# Altium PCB VCB2020.PcbDoc (part 2 of 2)
Units mm, origin at the board's own origin, x right, y up, seen from the top; angles counter-clockwise.
Board outline 146 x 96 mm, 2 copper layers (Top Layer, Bottom Layer); 153 components, 104 nets, 535 pads, 826 vias.
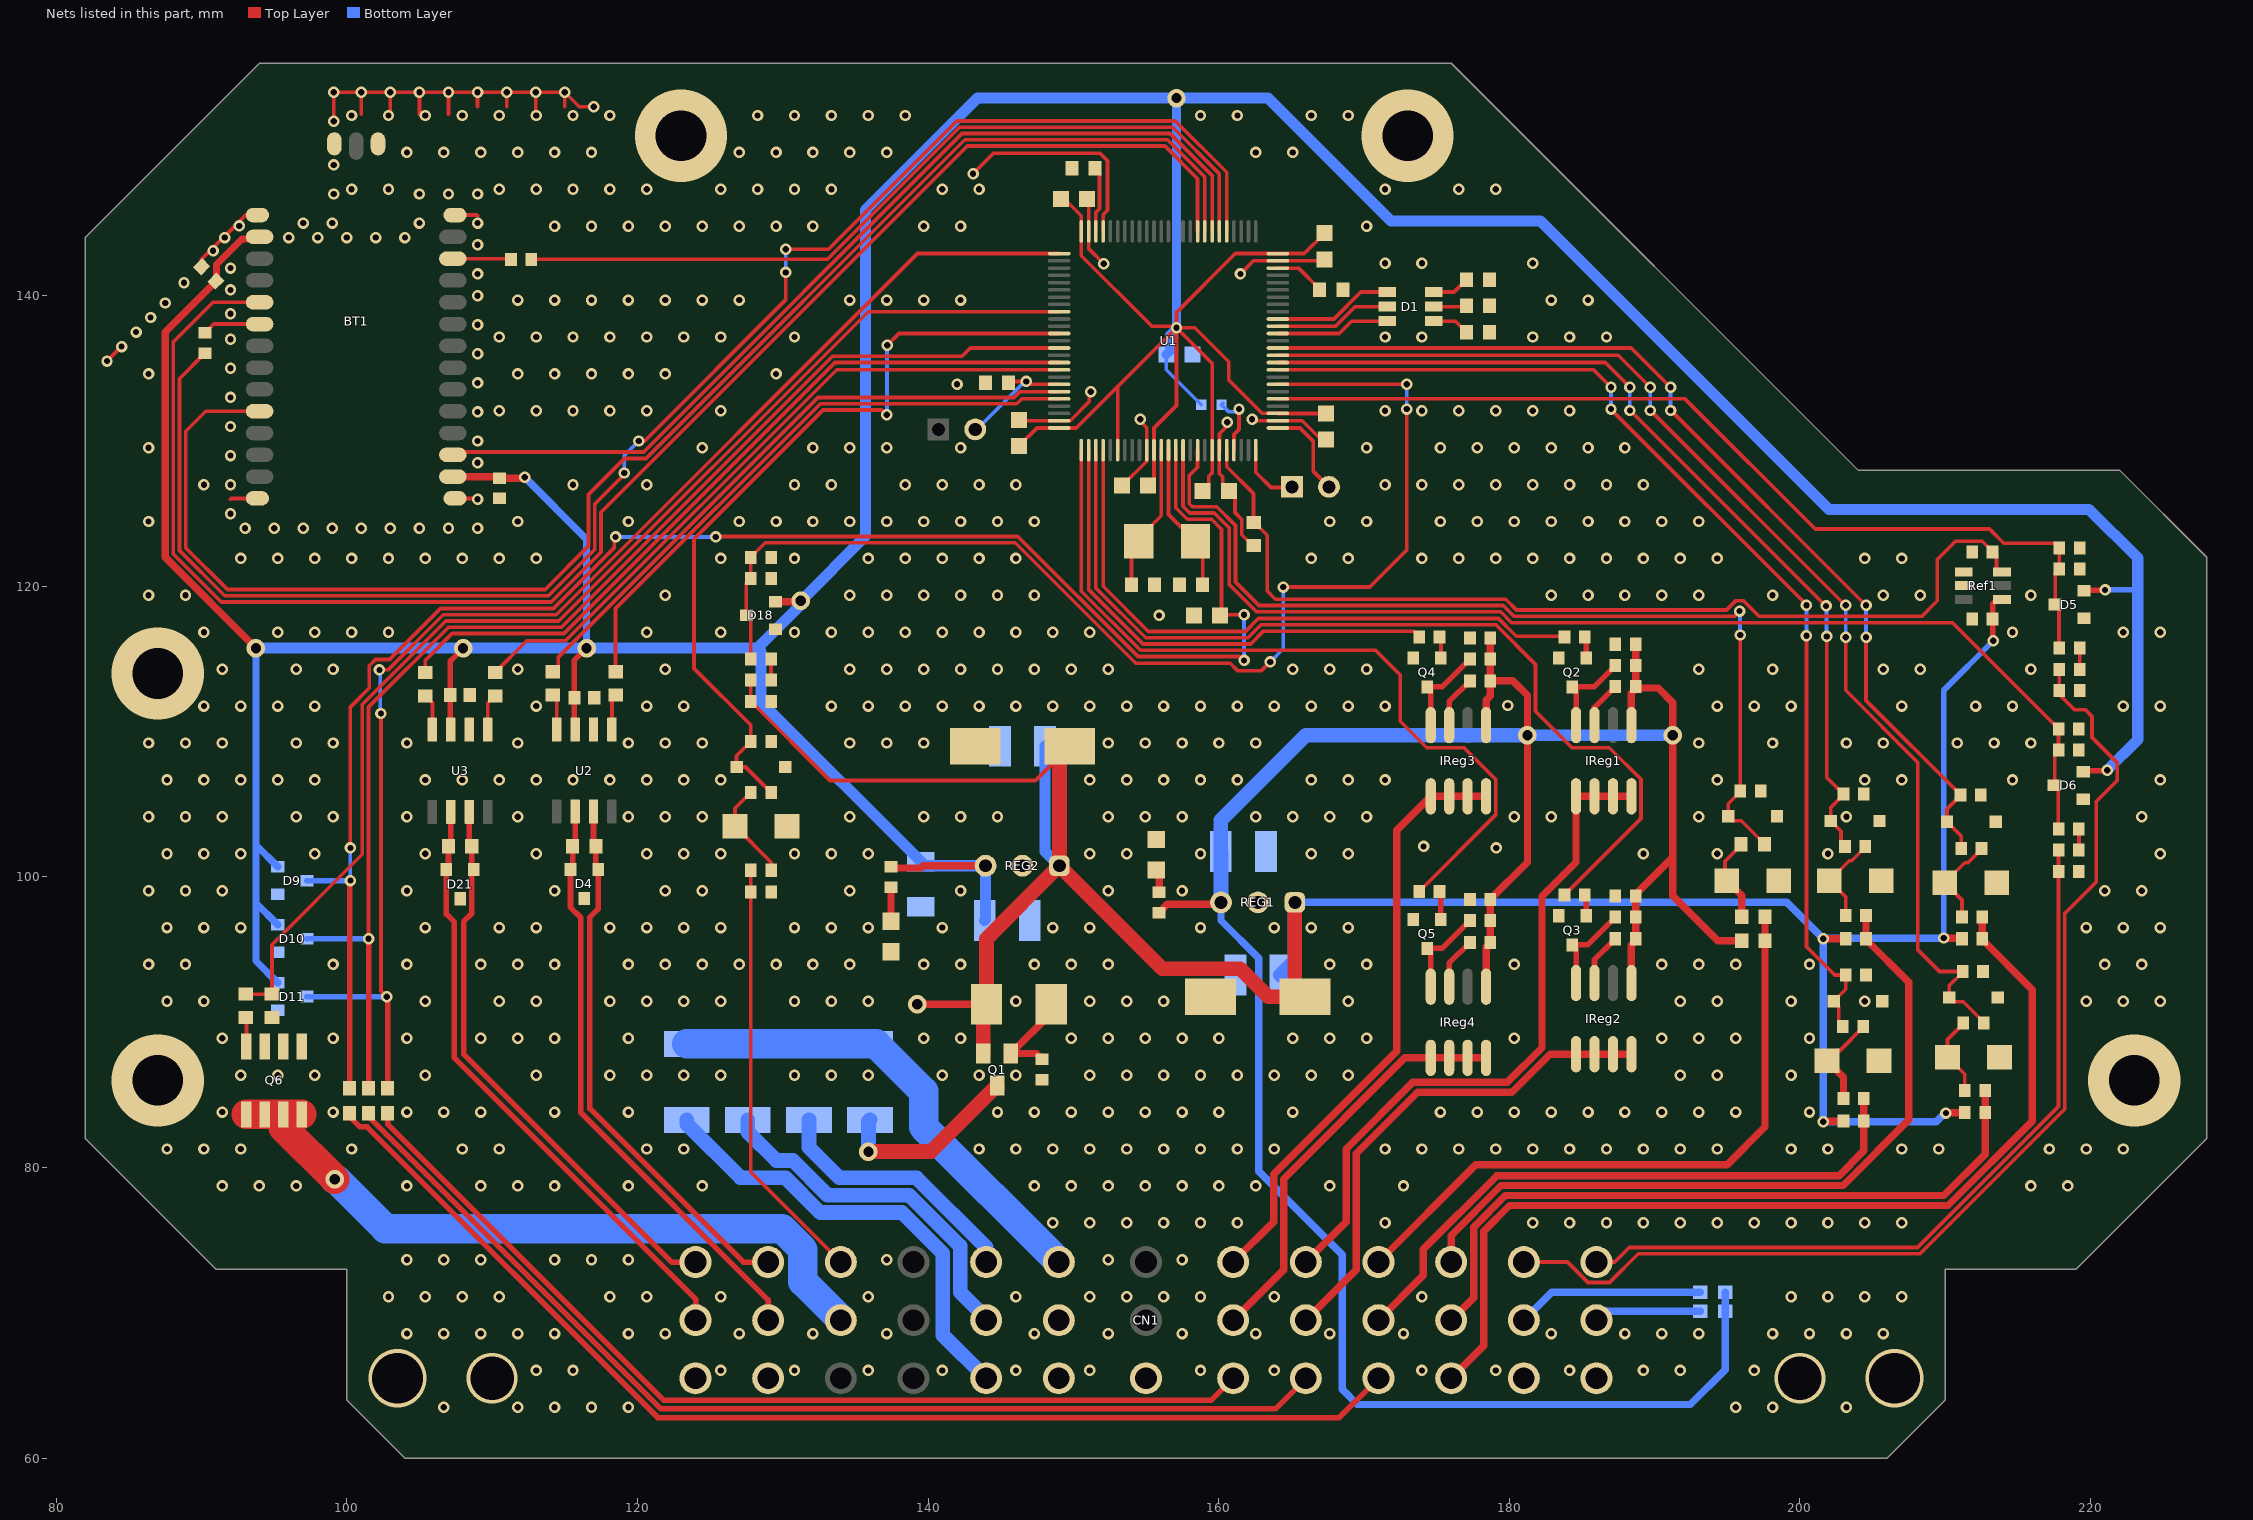
[diagram p2: the nets of this part, all layers, seen from the top]

## Via types
v1: diameter 0.787, hole 0.432, Top Layer to Bottom Layer, 807 vias
v2: diameter 1.27, hole 0.711, Top Layer to Bottom Layer, 10 vias
v3: diameter 6.35, hole 3.48, Top Layer to Bottom Layer, 5 vias
v4: diameter 3.5, hole 3, Top Layer to Bottom Layer, 2 vias
v5: diameter 4, hole 3.5, Top Layer to Bottom Layer, 2 vias

## Nets (pads, with @x,y where several pads share a name; then routed paths per layer and width w, separated by ;. In a path a pad name is that pad's centre, name@x,y a point inside that pad or via, vN(x,y) a via of type N, cw(c..) or ccw(c..) an arc to the next point about the centre after c; other vN are vias at no path point)
3v3: BT1.2 BT1.16 C5.2 C6.2 C7.2 C8.2 C9.2 C18.2 C19.2 C23.2 C24.2 C25.2 C28.2 C29.2 D5.2 D6.2 D9.2 D10.2 D11.2 D18.2 L1.1 R7.1 R8.2 REG2.3 U1.6 U1.11 U1.19 U1.28 U1.50 U1.75 U1.100 U2.3 U3.3 | length 426.9
  Top Layer w0.254: C9.2@146.25,129.65 147.5,130.9 U1.100@149.025,130.9 150.2,130.9 153.05,133.75 ; C25.2@148.85,146.654 149.004,146.5 149.55,146.5 150.552,145.498 150.552,144.427 U1.75@150.55,144.425 150.552,144.423 150.552,142.748 155.408,137.892 157.008,137.892 157.008,137.708 153.05,133.75 ; U1.6@153.05,129.375 153.05,133.75 ; C6.2@155.15,126.95 155.55,127.35 U1.11@155.55,129.375 155.55,130.9 157.1,132.45 v1(157.1,137.8) ; C7.2@158.9,126.55 159.323,126.973 159.323,127.573 159.55,127.8 U1.19@159.55,129.375 159.55,135.35 v1(157.1,137.8) ; C23.2@167.3,144.304 165.896,142.9 U1.50@164.075,142.9 161.15,142.9 157.1,138.85 v1(157.1,137.8) ; C8.2@167.4,131.55 167.05,131.9 U1.28@164.075,131.9 164.073,131.902 162.998,131.902 160.699,134.201 160.699,135.451 158.35,137.8 v1(157.1,137.8)
  Top Layer w0.381: U3.3@107.165,110.134 107.125,110.174 C24.2@107.125,112.513 107.125,114.875 v2(108,115.75) ; U2.3@115.71,110.15 115.67,110.19 C19.2@115.67,112.329 115.67,114.92 v2(116.5,115.75) ; D6.2@219.5,107.25 219.55,107.3 221.1,107.3 v1(221.15,107.35) ; D5.2@219.55,119.7 219.575,119.725 220.975,119.725 v1(221,119.75)
  Top Layer w0.508: C28.2@90.995,141.005 91.038,141.048 91.038,142.145 92.792,143.9 93.85,143.9 BT1.2@94,144.05 ; C28.2@91,141 87.5,137.5 87.5,122 v2(93.75,115.75) ; BT1.16@107.3,127.55 110.4,127.55 C29.2@110.5,127.45 112.2,127.45 v1(112.25,127.5) ; D18.2@129.5,118.95 131.2,118.95 v2(131.25,119) ; R7.1@137.45,100.7 137.535,100.615 139.5,100.615 139.655,100.77 REG2.3@143.96,100.77
  Bottom Layer w0.254: C5.2@156.4,135.95 156.4,134.9 L1.1@158.8,132.5
  Bottom Layer w0.381: v1(221,119.75) 223.15,119.75 223.25,119.85
  Bottom Layer w0.508: v2(93.75,115.75) 93.75,102.2 ; D11.2@95.25,92.721 93.75,94.221 93.75,98.211 ; D10.2@95.25,96.711 93.75,98.211 ; D9.2@95.25,100.7 93.75,102.2 ; v1(112.25,127.5) 116.5,123.25 v2(116.5,115.75) ; 93.75,98.211 93.75,102.2
  Bottom Layer w0.635: C5.2@156.4,135.95 156.633,136.183 156.633,137.291 157.1,137.759 v1(157.1,137.8) v2(157.1,153.6)
  Bottom Layer w0.762: v2(93.75,115.75) v2(108,115.75) v2(116.5,115.75) 128.25,115.75 ; C18.2@143.9,97 143.96,97.06 REG2.3@143.96,100.77 139.78,100.77 R8.2@139.5,101.05 128.5,112.05 128.5,115.5 128.25,115.75 ; v1(221.15,107.35) 223.25,109.45 223.25,119.85 223.25,121.95 219.9,125.3 202,125.3 182.15,145.15 171.85,145.15 163.4,153.6 v2(157.1,153.6) 143.4,153.6 135.7,145.9 135.7,123.45 v2(131.25,119) 131.25,118.75 128.25,115.75
3v3ref: C3.2 C11.2 Ref1.6 U1.21 | length 67.9
  Top Layer w0.254: U1.21@160.55,129.375 160.552,129.373 160.552,128.229 162.4,126.381 C3.2@162.4,124.4 162.45,124.4 163.337,123.513 163.337,119.677 163.9,119.114 179.764,119.114 180.5,118.378 194.94,118.378 195.561,118.998 196.139,118.998 197.206,117.932 208.382,117.932 209.45,119 209.45,121.85 210.709,123.109 212.545,123.109 213.25,122.404 C11.2@213.25,122.354 213.523,122.081 213.523,121.183 213.706,121 Ref1.6@213.9,121
5v: C14.2 C34.2 C35.2 C36.2 C37.2 F1.1 F2.1 IReg1.1 IReg2.1 IReg3.1 IReg4.1 R6.1 R20.2 R47.1 R48.1 R50.1 R51.1 R53.1 R54.1 R56.1 R57.1 REG1.3 | length 181.2
  Top Layer w0.508: R6.1@155.904,97.55 156.472,98.118 160.16,98.118 REG1.3@160.16,98.25 ; IReg4.1@178.405,92.45 178.405,95.205 R56.1@178.7,95.5 R57.1@178.7,97 C37.2@178.7,98.454 181.25,101.004 v2(181.25,109.75) 181.25,112.5 180.25,113.5 R53.1@178.7,113.5 ; IReg3.1@178.405,110.45 178.405,112.155 178.7,112.45 R53.1@178.7,113.5 ; C36.2@178.7,116.454 R54.1@178.7,115 R53.1@178.7,113.5 ; IReg2.1@188.405,92.95 188.405,95.309 188.7,95.604 188.7,97.059 R51.1@188.7,97.25 188.7,98.8 191.25,101.35 ; IReg1.1@188.405,110.45 188.405,112.655 188.75,113 190.25,113 191.25,112 v2(191.25,109.75) 191.25,101.35 ; R47.1@188.7,113.5 C34.2@188.7,116.013 ; R20.2@196,95.6 194.35,95.6 191.25,98.7 191.25,101.35
  Bottom Layer w0.508: REG1.3@160.16,98.25 160.16,97.001 162.75,94.411 162.75,79.75 168.5,74 168.5,64.75 169.55,63.7 192.45,63.7 194.85,66.1 F1.1@194.85,70.113 F2.1@194.85,71.42
  Bottom Layer w0.762: v2(181.25,109.75) v2(191.25,109.75)
  Bottom Layer w1.016: REG1.3@160.16,98.25 160.16,101.74 C14.2@160.15,101.75 160.15,103.9 166,109.75 v2(181.25,109.75)
"\B\r\a\k\e\ \P\r\e\s\s": CN1.10 R20.1 R21.1 | length 44.9
  Top Layer w0.508: CN1.10@171,73.5 177.7,80.2 195,80.2 197.6,82.8 R20.1@197.6,95.6 R21.1@197.6,97.25
"APPS 1 5V": CN1.1 R16.1 R18.2 | length 53.9
  Top Layer w0.254: CN1.1@186,73.5 187.25,73.5 188.25,74.5 208.09,74.5 217.8,84.21 R18.2@217.8,100.387 R16.1@217.8,101.841
"APPS 1 Pwr": CN1.2 F1.2 | length 7.4
  Bottom Layer w0.508: CN1.2@186,69.5 186.613,70.113 F1.2@193.15,70.113
"APPS 2 5V": CN1.4 R12.1 R14.2 | length 76.9
  Top Layer w0.254: CN1.4@181,73.25 CN1.4@181,73.5 184.013,73.5 185.418,72.095 186.895,72.095 188.868,74.068 208.269,74.068 218.232,84.031 218.232,97.482 220.4,99.65 220.4,105.2 221.848,106.648 221.848,107.85 220.1,109.599 220.1,111.05 219.65,111.5 218.9,111.5 217.85,112.55 R14.2@217.85,112.837 R12.1@217.85,114.291
"APPS 2 Pwr": CN1.5 F2.2 | length 12.9
  Bottom Layer w0.508: CN1.5@181,69.5 182.92,71.42 F2.2@193.15,71.42
"BCO Ctrl": CN1.32 Q6.5 Q6.6 Q6.7 Q6.8 | length 49.9
  Top Layer w2.032: Q6.5@93.095,83.66 Q6.6@94.365,83.66 Q6.7@95.635,83.66 ; Q6.7@95.635,83.67 Q6.7@95.635,83.66 ; Q6.8@96.905,83.66 Q6.7@95.635,83.66 ; v2(99.175,79.2) 95.635,82.74 Q6.7@95.635,83.66
  Bottom Layer w2.032: v2(99.175,79.2) 99.25,79.2 102.656,75.794 129.95,75.794 131.387,74.357 131.387,72.158 134,69.545 CN1.32@134,69.5
BOOT0: P1.2 R4.1 U1.94 | length 8.9
  Top Layer w0.254: P1.2@143.25,130.8 P1.2@143.601,131.151 ; R4.1@145.55,134 145.65,134.1 v1(146.75,134.1) ; v1@146.75,133.9 U1.94@149.025,133.9
  Bottom Layer w0.254: P1.2@143.25,130.8 143.35,130.8 146.65,134.1 v1(146.75,134.1)
"BPS Interm": D7.2 R21.2 R60.1 | length 5.9
  Top Layer w0.254: D7.2@194.96,99.75 194.85,99.86 194.85,101.087 195.95,102.187 R60.1@195.95,102.237
  Top Layer w0.508: D7.2@194.96,99.75 194.97,99.75 196,98.72 R21.2@196,97.25
"BT NCTS": BT1.10 U1.58 | length 104.7
  Top Layer w0.254: BT1.10@94,132.05 90.3,132.05 88.922,130.672 88.922,122.647 91.785,119.785 113.65,119.785 116.636,122.771 116.636,126.324 119.112,128.8 120.589,128.8 142.521,150.732 156.479,150.732 159.05,148.161 U1.58@159.05,144.425
"BT NRTS": BT1.5 U1.59 | length 112.7
  Top Layer w0.254: BT1.5@94,139.55 90.8,139.55 88.059,136.809 88.059,122.231 91.369,118.921 114.067,118.921 117.5,122.354 117.5,125.1 142.7,150.3 156.3,150.3 158.55,148.05 U1.59@158.55,144.425
"BT Reset": BT1.17 U1.57 | length 66.5
  Top Layer w0.254: BT1.17@107.35,129 BT1.17@107.3,129.05 107.5,129.25 120.429,129.25 142.342,151.164 156.658,151.164 159.55,148.271 U1.57@159.55,144.425
"BT Rx": BT1.6 R33.2 | length 4
  Top Layer w0.254: R33.2@90.25,137.45 90.85,138.05 BT1.6@94,138.05
"BT Tx": BT1.26 R32.1 | length 4
  Top Layer w0.254: BT1.26@107.3,142.55 111.25,142.55 R32.1@111.3,142.5
"CAN Rx": R9.2 U1.95 | length 43.2
  Top Layer w0.254: R9.2@114.191,114.121 114.241,114.121 114.564,114.444 114.564,115.143 132.421,133 145.931,133 146.331,133.4 U1.95@149.025,133.4
"CAN Tx": R10.2 U1.96 | length 40.9
  Top Layer w0.254: R10.2@118.499,114.121 118.499,118.468 132.6,132.568 146.11,132.568 146.442,132.9 U1.96@149.025,132.9
CAN_N: CN1.35 D4.2 R11.1 U2.6 | length 40.8
  Top Layer w0.381: U2.6@115.71,104.5 115.71,102.286 R11.1@115.545,102.121 115.545,100.666 D4.2@115.395,100.516 115.395,97.905 116.1,97.2 116.1,83.8 129,70.9 CN1.35@129,69.5
CAN_P: CN1.34 D4.1 R11.2 U2.7 | length 37.4
  Top Layer w0.381: U2.7@116.98,104.5 116.98,102.286 R11.2@117.145,102.121 117.145,100.666 D4.1@117.295,100.516 117.295,97.795 116.735,97.235 116.735,84.063 127.298,73.5 CN1.34@129,73.5
"Dash Power": CN1.27 F11.2 | length 31.4
  Bottom Layer w1.016: F11.2@123.4,83.285 123.4,83 127.1,79.3 130.194,79.3 132.588,76.906 138.217,76.906 141.02,74.103 141.02,68.48 CN1.27@144,65.5
"Dash Toggle": CN1.9 R31.1 R34.1 | length 67.4
  Top Layer w0.508: CN1.9@176,65.5 178.236,67.736 178.236,75.616 180.012,77.393 210.193,77.393 216,83.2 216,92.25 212.55,95.7 R31.1@212.55,95.75 R34.1@212.55,97.25
"Dash Toggle Interm": D19.2 R34.2 R35.1 | length 6.4
  Top Layer w0.254: D19.2@209.96,99.6 D19.2@209.97,99.6 ; R34.2@211.15,97.25 211.15,98.42 D19.2@209.97,99.6 ; R35.1@212.5,101.95 212.5,101.9 211.57,100.97 211.34,100.97 D19.2@209.97,99.6
"Debug LED B": D1.6 U1.39 | length 7.9
  Top Layer w0.254: U1.39@164.075,137.4 168.3,137.4 169.15,138.25 D1.6@171.6,138.25
"Debug LED G": D1.5 U1.40 | length 8.1
  Top Layer w0.254: U1.40@164.075,137.9 168.042,137.9 169.392,139.25 D1.5@171.6,139.25
"Debug LED R": D1.4 U1.41 | length 8.3
  Top Layer w0.254: U1.41@164.075,138.4 167.931,138.4 169.781,140.25 D1.4@171.6,140.25
"GLV Power In": CN1.22 F8.1 F9.1 F10.1 F11.1 | length 33.3
  Bottom Layer w2.032: F11.1@123.4,88.515 F10.1@127.6,88.515 F9.1@131.8,88.515 F8.1@136,88.515 136.433,88.515 139.7,85.248 139.7,82.8 CN1.22@149,73.5
GND: BT1.1 BT1.14 BT1.15 BT1.28 BT1.29 BT1.31 C1.1 C2.1 C3.1 C4.1 C5.1 C6.1 C7.1 C8.1 C9.1 C10.1 C11.1 C12.2 C13.1 C14.1 C15.1 C16.2 C17.1 C18.1 C19.1 C20.1 C21.1 C22.1 C23.1 C24.1 C25.1 C26.1 C27.1 C28.1 C29.1 C30.1 C31.1 C32.1 C33.1 C34.1 C35.1 C36.1 C37.1 C38.1 CN1.3 CN1.6 CN1.21 CN1.23 CN1.24 CN1.36 CN1.39 D3.1 D4.3 D5.1 D6.1 D7.1 D8.1 D9.1 D10.1 D11.1 D12.1 D13.1 D14.1 D15.1 D16.1 D17.1 D18.1 D19.1 D20.1 D21.3 D22.1 DS1.2 DS2.2 Q2.2 Q3.2 Q4.2 Q5.2 Q6.1 Q6.2 Q6.3 R1.2 R2.2 R3.2 R4.2 R5.1 R8.1 R14.1 R15.1 R18.1 R19.1 R42.1 R45.1 R46.1 R59.1 Ref1.1 Ref1.2 REG1.2 REG2.2 U1.10 U1.20 U1.27 U1.49 U1.74 U1.99 U2.2 U3.2 | length 81.3
  Top Layer w0.254: v1(83.5,135.5) v1(84.5,136.5) ; C28.1@90.005,141.995 90.005,142.505 92.3,144.8 v1(92.6,144.8) 92.6,145.1 93.05,145.55 BT1.1@93.85,145.55 ; 92,126 92.05,126.05 BT1.14@93.85,126.05 ; v1(99.1,152) v1(99.1,154) v1(101,154) ; 101,152.5 v1(101,154) ; v1@103,152.5 v1(103,154) ; 105,152.5 v1(105,154) ; 107,152.5 v1(107,154) ; BT1.15@107.45,126.05 108.95,126.05 v1(109,126) ; BT1.28@107.45,145.55 108.95,145.55 109,145.5 ; 109,153 v1(109,154) ; 111,153 v1(111,154) ; v1@113,152.5 v1(113,154) ; 115,153 v1(115,154) ; v1(117,153) 116,153 v1(115,154) ; C9.1@146.25,131.45 146.3,131.4 U1.99@149.025,131.4 149.027,131.402 149.785,131.402 151.098,132.715 151.098,133.298 v1(151.2,133.4) ; C25.1@150.95,146.654 151.05,146.554 U1.74@151.05,144.425 151.05,143.25 v1(152.1,142.2) ; C6.1@153.35,126.95 153.383,126.95 155.048,128.615 155.048,129.373 U1.10@155.05,129.375 155.05,130.906 154.6,131.356 v1(154.6,131.5) ; v1(160.6,131.3) 160.6,131.056 160.052,130.508 160.052,129.377 U1.20@160.05,129.375 160.05,127.75 160.277,127.523 160.277,126.973 C7.1@160.7,126.55 161.123,126.127 161.123,125.077 161.595,124.605 161.595,123.555 162.35,122.8 C3.1@162.4,122.8 ; v1(161.5,141.5) 162.4,142.4 U1.49@164.075,142.4 167.196,142.4 C23.1@167.3,142.504 ; v1(162.3,131.5) 162.398,131.402 164.073,131.402 U1.27@164.075,131.4 165.75,131.4 C8.1@167.4,129.75 ; v1(101,154) v1(103,154) ; v1(103,154) v1(105,154) ; v1(105,154) v1(107,154) ; v1(107,154) v1(109,154) ; v1(109,154) v1(111,154) ; v1(111,154) v1(113,154) ; v1(113,154) v1(115,154)
  other v1: 106.68,63.5 111.76,63.5 114.3,63.5 116.84,63.5 119.38,63.5 195.58,63.5 198.12,63.5 203.2,63.5 113.03,66.04 115.57,66.04 125.73,66.04 130.81,66.04 135.89,66.04 140.97,66.04 146.05,66.04 151.13,66.04 158.75,66.04 163.83,66.04 173.99,66.04 179.07,66.04 184.15,66.04 189.23,66.04 191.77,66.04 196.85,66.04 104.14,68.58 106.68,68.58 109.22,68.58 111.76,68.58 114.3,68.58 119.38,68.58 121.92,68.58 127,68.58 132.08,68.58 137.16,68.58 147.32,68.58 152.4,68.58 157.48,68.58 162.56,68.58 167.64,68.58 172.72,68.58 182.88,68.58 187.96,68.58 190.5,68.58 193.04,68.58 198.12,68.58 200.66,68.58 203.2,68.58 205.74,68.58 102.87,71.12 105.41,71.12 107.95,71.12 110.49,71.12 118.11,71.12 120.65,71.12 125.73,71.12 135.89,71.12 146.05,71.12 151.13,71.12 153.67,71.12 156.21,71.12 158.75,71.12 163.83,71.12 173.99,71.12 199.39,71.12 201.93,71.12 204.47,71.12 207.01,71.12 104.14,73.66 106.68,73.66 109.22,73.66 114.3,73.66 116.84,73.66 119.38,73.66 137.16,73.66 152.4,73.66 157.48,73.66 148.59,76.2 151.13,76.2 153.67,76.2 156.21,76.2 158.75,76.2 161.29,76.2 171.45,76.2 181.61,76.2 184.15,76.2 186.69,76.2 189.23,76.2 191.77,76.2 194.31,76.2 196.85,76.2 199.39,76.2 201.93,76.2 204.47,76.2 207.01,76.2 91.44,78.74 93.98,78.74 96.52,78.74 104.14,78.74 109.22,78.74 111.76,78.74 114.3,78.74 119.38,78.74 124.46,78.74 147.32,78.74 149.86,78.74 152.4,78.74 154.94,78.74 157.48,78.74 160.02,78.74 162.56,78.74 167.64,78.74 172.72,78.74 215.9,78.74 218.44,78.74 87.63,81.28 90.17,81.28 92.71,81.28 100.33,81.28 107.95,81.28 110.49,81.28 120.65,81.28 123.19,81.28 143.51,81.28 146.05,81.28 148.59,81.28 151.13,81.28 153.67,81.28 156.21,81.28 158.75,81.28 161.29,81.28 163.83,81.28 171.45,81.28 173.99,81.28 176.53,81.28 179.07,81.28 181.61,81.28 184.15,81.28 186.69,81.28 189.23,81.28 191.77,81.28 194.31,81.28 199.39,81.28 201.93,81.28 207.01,81.28 209.55,81.28 217.17,81.28 219.71,81.28 222.25,81.28 91.44,83.82 99.06,83.82 104.14,83.82 106.68,83.82 109.22,83.82 114.3,83.82 119.38,83.82 144.78,83.82 147.32,83.82 149.86,83.82 152.4,83.82 154.94,83.82 157.48,83.82 160.02,83.82 165.1,83.82 175.26,83.82 177.8,83.82 180.34,83.82 182.88,83.82 185.42,83.82 187.96,83.82 190.5,83.82 193.04,83.82 195.58,83.82 200.66,83.82 92.71,86.36 95.25,86.36 97.79,86.36 105.41,86.36 113.03,86.36 118.11,86.36 120.65,86.36 123.19,86.36 125.73,86.36 130.81,86.36 133.35,86.36 135.89,86.36 140.97,86.36 143.51,86.36 146.05,86.36 151.13,86.36 153.67,86.36 156.21,86.36 158.75,86.36 161.29,86.36 163.83,86.36 166.37,86.36 168.91,86.36 191.77,86.36 194.31,86.36 199.39,86.36 91.44,88.9 99.06,88.9 104.14,88.9 109.22,88.9 111.76,88.9 114.3,88.9 119.38,88.9 139.7,88.9 142.24,88.9 149.86,88.9 152.4,88.9 154.94,88.9 157.48,88.9 160.02,88.9 165.1,88.9 167.64,88.9 170.18,88.9 180.34,88.9 190.5,88.9 193.04,88.9 195.58,88.9 200.66,88.9 87.63,91.44 90.17,91.44 105.41,91.44 110.49,91.44 113.03,91.44 118.11,91.44 120.65,91.44 123.19,91.44 125.73,91.44 130.81,91.44 133.35,91.44 135.89,91.44 146.05,91.44 151.13,91.44 153.67,91.44 156.21,91.44 168.91,91.44 191.77,91.44 194.31,91.44 199.39,91.44 204.47,91.44 219.71,91.44 222.25,91.44 224.79,91.44 86.36,93.98 88.9,93.98 99.06,93.98 104.14,93.98 109.22,93.98 111.76,93.98 114.3,93.98 119.38,93.98 121.92,93.98 124.46,93.98 127,93.98 129.54,93.98 132.08,93.98 134.62,93.98 139.7,93.98 142.24,93.98 147.32,93.98 149.86,93.98 152.4,93.98 167.64,93.98 170.18,93.98 180.34,93.98 190.5,93.98 193.04,93.98 195.58,93.98 200.66,93.98 220.98,93.98 223.52,93.98 87.63,96.52 90.17,96.52 92.71,96.52 105.41,96.52 110.49,96.52 113.03,96.52 118.11,96.52 120.65,96.52 123.19,96.52 125.73,96.52 130.81,96.52 133.35,96.52 135.89,96.52 140.97,96.52 148.59,96.52 151.13,96.52 158.75,96.52 163.83,96.52 166.37,96.52 168.91,96.52 219.71,96.52 222.25,96.52 224.79,96.52 86.36,99.06 88.9,99.06 91.44,99.06 104.14,99.06 114.3,99.06 121.92,99.06 124.46,99.06 134.62,99.06 142.24,99.06 152.4,99.06 157.48,99.06 220.98,99.06 223.52,99.06 87.63,101.6 90.17,101.6 92.71,101.6 97.79,101.6 105.41,101.6 113.03,101.6 120.65,101.6 123.19,101.6 125.73,101.6 130.81,101.6 133.35,101.6 135.89,101.6 151.13,101.6 153.67,101.6 158.75,101.6 166.37,101.6 168.91,101.6 189.23,101.6 194.31,101.6 201.93,101.6 224.79,101.6 179.1,102 174.1,102.1 86.36,104.14 88.9,104.14 91.44,104.14 96.52,104.14 99.06,104.14 104.14,104.14 111.76,104.14 119.38,104.14 121.92,104.14 124.46,104.14 134.62,104.14 139.7,104.14 142.24,104.14 144.78,104.14 152.4,104.14 154.94,104.14 157.48,104.14 162.56,104.14 165.1,104.14 167.64,104.14 170.18,104.14 180.34,104.14 182.88,104.14 193.04,104.14 203.2,104.14 223.52,104.14 87.63,106.68 90.17,106.68 92.71,106.68 95.25,106.68 97.79,106.68 105.41,106.68 107.95,106.68 110.49,106.68 113.03,106.68 115.57,106.68 118.11,106.68 120.65,106.68 123.19,106.68 125.73,106.68 151.13,106.68 153.67,106.68 156.21,106.68 158.75,106.68 161.29,106.68 166.37,106.68 168.91,106.68 171.45,106.68 194.31,106.68 204.47,106.68 207.01,106.68 214.63,106.68 224.79,106.68 86.36,109.22 88.9,109.22 91.44,109.22 96.52,109.22 99.06,109.22 104.14,109.22 111.76,109.22 119.38,109.22 121.92,109.22 124.46,109.22 134.62,109.22 137.16,109.22 139.7,109.22 152.4,109.22 154.94,109.22 157.48,109.22 160.02,109.22 162.56,109.22 193.04,109.22 198.12,109.22 203.2,109.22 205.74,109.22 210.82,109.22 213.36,109.22 215.9,109.22 90.17,111.76 92.71,111.76 95.25,111.76 97.79,111.76 113.03,111.76 120.65,111.76 123.19,111.76 133.35,111.76 135.89,111.76 138.43,111.76 140.97,111.76 143.51,111.76 146.05,111.76 148.59,111.76 151.13,111.76 153.67,111.76 156.21,111.76 158.75,111.76 161.29,111.76 163.83,111.76 166.37,111.76 168.91,111.76 171.45,111.76 194.31,111.76 196.85,111.76 199.39,111.76 207.01,111.76 212.09,111.76 214.63,111.76 222.25,111.76 224.79,111.76 179.9,111.8 91.44,114.3 96.52,114.3 99.06,114.3 111.76,114.3 121.92,114.3 134.62,114.3 137.16,114.3 139.7,114.3 142.24,114.3 144.78,114.3 147.32,114.3 149.86,114.3 152.4,114.3 165.1,114.3 167.64,114.3 170.18,114.3 193.04,114.3 198.12,114.3 205.74,114.3 208.28,114.3 215.9,114.3 90.17,116.84 95.25,116.84 97.79,116.84 100.33,116.84 102.87,116.84 120.65,116.84 125.73,116.84 130.81,116.84 133.35,116.84 135.89,116.84 138.43,116.84 140.97,116.84 143.51,116.84 146.05,116.84 148.59,116.84 151.13,116.84 214.63,116.84 222.25,116.84 224.79,116.84 155.9,118 86.36,119.38 88.9,119.38 121.92,119.38 134.62,119.38 137.16,119.38 139.7,119.38 142.24,119.38 144.78,119.38 147.32,119.38 182.88,119.38 185.42,119.38 187.96,119.38 190.5,119.38 193.04,119.38 198.12,119.38 205.74,119.38 208.28,119.38 215.9,119.38 92.71,121.92 95.25,121.92 97.79,121.92 100.33,121.92 102.87,121.92 105.41,121.92 107.95,121.92 110.49,121.92 113.03,121.92 125.73,121.92 130.81,121.92 135.89,121.92 138.43,121.92 140.97,121.92 143.51,121.92 146.05,121.92 166.37,121.92 168.91,121.92 173.99,121.92 176.53,121.92 179.07,121.92 181.61,121.92 184.15,121.92 186.69,121.92 189.23,121.92 191.77,121.92 194.31,121.92 204.47,121.92 207.01,121.92 93,124 95,124 97,124 99,124 101,124 103,124 105,124 107,124 109,124 86.36,124.46 111.76,124.46 119.38,124.46 127,124.46 129.54,124.46 132.08,124.46 134.62,124.46 137.16,124.46 139.7,124.46 142.24,124.46 144.78,124.46 147.32,124.46 167.64,124.46 170.18,124.46 175.26,124.46 177.8,124.46 180.34,124.46 182.88,124.46 185.42,124.46 187.96,124.46 190.5,124.46 193.04,124.46 92,125 90.17,127 92,127 115.57,127 120.65,127 130.81,127 133.35,127 138.43,127 140.97,127 143.51,127 146.05,127 171.45,127 173.99,127 176.53,127 179.07,127 181.61,127 184.15,127 186.69,127 189.23,127 109,128.5 92,129 86.36,129.54 124.46,129.54 132.08,129.54 134.62,129.54 137.16,129.54 142.24,129.54 170.18,129.54 175.26,129.54 177.8,129.54 180.34,129.54 182.88,129.54 185.42,129.54 187.96,129.54 109,130 92,131 109,132 110.49,132.08 113.03,132.08 115.57,132.08 118.11,132.08 120.65,132.08 125.73,132.08 171.45,132.08 173.99,132.08 176.53,132.08 179.07,132.08 181.61,132.08 184.15,132.08 92,133 142,133.9 109,134 86.36,134.62 111.76,134.62 114.3,134.62 116.84,134.62 119.38,134.62 121.92,134.62 129.54,134.62 92,135 109,136 92,137 110.49,137.16 113.03,137.16 115.57,137.16 118.11,137.16 120.65,137.16 123.19,137.16 125.73,137.16 130.81,137.16 171.45,137.16 173.99,137.16 181.61,137.16 184.15,137.16 186.69,137.16 85.5,137.5 109,138 86.5,138.5 92,138.75 87.5,139.5 111.76,139.7 114.3,139.7 116.84,139.7 119.38,139.7 121.92,139.7 124.46,139.7 127,139.7 134.62,139.7 137.16,139.7 139.7,139.7 142.24,139.7 182.88,139.7 185.42,139.7 109,140 92,140.4 88.8,140.9 109,141.5 92,141.9 171.45,142.24 173.99,142.24 181.61,142.24 90.8,143.1 109,143.5 91.6,144 96,144 98,144 100,144 102,144 104,144 114.3,144.78 116.84,144.78 119.38,144.78 121.92,144.78 124.46,144.78 127,144.78 129.54,144.78 132.08,144.78 139.7,144.78 142.24,144.78 170.18,144.78 97,145 99,145 105,145 109,145 99.1,147 105,147 107,147 109,147 100.33,147.32 102.87,147.32 110.49,147.32 113.03,147.32 115.57,147.32 118.11,147.32 120.65,147.32 125.73,147.32 128.27,147.32 130.81,147.32 133.35,147.32 140.97,147.32 143.51,147.32 171.45,147.32 176.53,147.32 179.07,147.32 99.1,149 104.14,149.86 106.68,149.86 109.22,149.86 111.76,149.86 114.3,149.86 116.84,149.86 127,149.86 129.54,149.86 132.08,149.86 134.62,149.86 137.16,149.86 162.56,149.86 165.1,149.86 100.33,152.4 102.87,152.4 105.41,152.4 107.95,152.4 110.49,152.4 113.03,152.4 115.57,152.4 118.11,152.4 128.27,152.4 130.81,152.4 133.35,152.4 135.89,152.4 138.43,152.4 158.75,152.4 161.29,152.4 166.37,152.4 168.91,152.4
  other v3: 87,86 223,86 87,114 123,151 173,151
  other v4: 110,65.5 200,65.5
  other v5: 103.5,65.5 206.5,65.5
NetD1_1: D1.1 R3.1 | length 2.6
  Top Layer w0.254: D1.1@174.8,138.25 176.3,138.25 R3.1@177.05,137.5
NetD1_2: D1.2 R2.1 | length 2.3
  Top Layer w0.254: D1.2@174.8,139.25 176.996,139.25 R2.1@177.05,139.304
NetD1_3: D1.3 R1.1 | length 2.6
  Top Layer w0.254: D1.3@174.8,140.25 176.192,140.25 R1.1@177.05,141.109
NetD2_A: D2.A Q1.1 R5.2 | length 6.9
  Top Layer w0.508: R5.2@147.854,87.45 147.454,87.85 Q1.1@145.7,87.85 148.475,90.625 D2.A@148.475,91.25
NetDS1_1: DS1.1 R6.2 | length 1.6
  Top Layer w0.508: DS1.1@155.7,100.479 155.904,100.275 R6.2@155.904,98.95
NetDS2_1: DS2.1 R7.2 | length 2.3
  Top Layer w0.508: DS2.1@137.45,96.966 R7.2@137.45,99.3
NetIReg1_3: IReg1.3 R47.2 | length 3.2
  Top Layer w0.381: IReg1.3@185.865,110.45 185.865,111.669 R47.2@187.3,113.104
NetIReg1_4: IReg1.4 Q2.3 R48.2 | length 6.3
  Top Layer w0.381: IReg1.4@184.595,110.45 184.595,112.83 Q2.3@184.346,113.079 185.821,113.079 R48.2@187.3,114.559
NetIReg2_3: IReg2.3 R50.2 | length 3.6
  Top Layer w0.381: IReg2.3@185.865,92.7 185.865,94.315 R50.2@187.3,95.75
NetIReg2_4: IReg2.4 Q3.3 R51.2 | length 6.5
  Top Layer w0.381: IReg2.4@184.595,92.7 184.595,95.08 Q3.3@184.346,95.329 185.379,95.329 R51.2@187.3,97.25
NetIReg3_3: IReg3.3 R53.2 | length 3.6
  Top Layer w0.381: IReg3.3@175.865,110.45 175.865,112.065 R53.2@177.3,113.5
NetIReg3_4: IReg3.4 Q4.3 R54.2 | length 6.5
  Top Layer w0.381: IReg3.4@174.595,110.45 174.595,112.83 Q4.3@174.346,113.079 175.379,113.079 R54.2@177.3,115
NetIReg4_3: IReg4.3 R56.2 | length 3.6
  Top Layer w0.381: IReg4.3@175.865,92.45 175.865,94.065 R56.2@177.3,95.5
NetIReg4_4: IReg4.4 Q5.3 R57.2 | length 6.5
  Top Layer w0.381: IReg4.4@174.595,92.45 174.595,94.83 Q5.3@174.346,95.079 175.379,95.079 R57.2@177.3,97
NetL1_2: L1.2 U1.22 | length 4.6
  Top Layer w0.254: U1.22@161.05,129.375 161.05,130.45 161.4,130.8 v1(161.4,132.2)
  Bottom Layer w0.254: L1.2@160.3,132.6 L1.2@160.2,132.5 160.677,132.023 161.223,132.023 v1(161.4,132.2)
NetQ2_1: Q2.1 R49.1 | length 1.5
  Top Layer w0.381: R49.1@185.2,116.509 185.296,116.413 Q2.1@185.296,115.079
NetQ3_1: Q3.1 R52.1 | length 1.5
  Top Layer w0.381: R52.1@185.2,98.759 185.296,98.663 Q3.1@185.296,97.329
NetQ4_1: Q4.1 R55.1 | length 1.5
  Top Layer w0.254: R55.1@175.2,116.509 175.296,116.413 Q4.1@175.296,115.079
NetQ5_1: Q5.1 R58.1 | length 2
  Top Layer w0.381: R58.1@175.2,99 175.296,98.904 Q5.1@175.296,97.079
NetQ6_4: Q6.4 R39.1 | length 2
  Top Layer w0.254: R39.1@93.05,90.334 93.095,90.289 Q6.4@93.095,88.34
NetR9_1: R9.1 U2.4 | length 2.5
  Top Layer w0.254: R9.1@114.191,112.521 114.44,112.271 U2.4@114.44,110.15
NetR10_1: R10.1 U2.1 | length 2.5
  Top Layer w0.254: U2.1@118.25,110.15 118.25,112.272 R10.1@118.499,112.521
NetR12_2: R12.2 R13.1 | length 1.5
  Top Layer w0.254: R12.2@219.25,114.291 R13.1@219.25,115.746
NetR16_2: R16.2 R17.1 | length 1.5
  Top Layer w0.254: R16.2@219.2,101.841 R17.1@219.2,103.296
NetR28_1: R28.1 U3.4 | length 2.5
  Top Layer w0.254: R28.1@105.396,112.463 105.895,111.964 U3.4@105.895,110.134
NetR29_1: R29.1 U3.1 | length 2.5
  Top Layer w0.254: U3.1@109.705,110.134 109.705,111.964 R29.1@110.204,112.463
NetR43_2: R43.2 R44.1 | length 1.5
  Top Layer w0.254: R43.2@129.2,113.541 R44.1@129.2,114.996
NRST: C1.2 D9.3 F5.1 U1.14 | length 118.8
  Top Layer w0.254: v1(100.25,102) 100.25,111.7 101.552,113.002 101.552,114.539 101.973,114.961 102.939,114.961 106.456,118.477 114.234,118.477 118.398,122.641 118.398,123.298 v1(118.5,123.4) ; v1(125.399,123.399) 125.432,123.432 146.176,123.432 154.441,115.167 161.483,115.167 v1(161.75,114.9) ; U1.14@157.05,129.375 157.05,125.4 157.837,124.613 159.518,124.613 160.2,123.931 160.2,118.096 C1.2@160.154,118.05 ; C1.2@160.1,117.996 C1.2@160.154,118.05 ; v1(161.75,118.05) C1.2@160.154,118.05
  Top Layer w0.381: F5.1@100.193,85.45 v1@100.193,99.693
  Bottom Layer w0.254: v1(100.25,99.75) v1(100.25,102) ; v1@118.501,123.399 v1@125.398,123.399 ; v1(161.75,114.9) v1(161.75,118.05)
  Bottom Layer w0.381: D9.3@97.25,99.75 v1(100.25,99.75)
"NRST F": CN1.12 F5.2 | length 80.7
  Top Layer w0.381: F5.2@100.193,83.75 100.193,83.507 100.9,82.8 101.4,82.8 121.4,62.8 168.3,62.8 CN1.12@171,65.5
"Ph0 OSC In": C4.2 U1.12 X1.2 | length 10.1
  Top Layer w0.254: C4.2@153.996,120.1 153.996,122.596 X1.2@154.5,123.1 154.5,123.3 156.05,124.85 U1.12@156.05,129.375
"Ph1 OSC Out": C10.2 U1.13 X1.1 | length 10.2
  Top Layer w0.254: U1.13@156.55,129.375 156.55,124.95 X1.1@158.4,123.1 158.9,122.6 C10.2@158.9,120.1
"Regen Btn": CN1.11 R36.1 R37.1 | length 42.9
  Top Layer w0.508: CN1.11@171,69.5 174.087,72.587 174.087,74.387 179.15,79.45 202.7,79.45 204.4,81.15 R36.1@204.4,83.2 R37.1@204.4,84.75
"Regen Btn Interm": D22.2 R37.2 R38.1 | length 6.6
  Top Layer w0.254: D22.2@201.86,87.35 202.573,88.063 202.763,88.063 204.35,89.65 R38.1@204.35,89.7
  Top Layer w0.508: D22.2@201.86,87.35 201.87,87.35 203,86.22 R37.2@203,84.75
"RTD BTN": CN1.8 R22.1 R23.1 | length 48.7
  Top Layer w0.508: CN1.8@176,69.5 177.55,71.05 177.55,75.9 179.728,78.078 209.909,78.078 212.75,80.92 R22.1@212.75,83.8 R23.1@212.75,85.3
"RTD LED 1": R52.2 U1.3 | length 65.2
  Top Layer w0.254: U1.3@151.55,129.375 151.55,119.889 154.977,116.462 162.023,116.462 162.911,117.35 179.085,117.35 181.809,114.627 181.809,111.41 184.324,108.895 186.886,108.895 189.06,106.721 189.06,104.018 R52.2@183.8,98.759
"RTD LED 1 Output": CN1.14 IReg2.5 IReg2.6 IReg2.7 IReg2.8 | length 34.7
  Top Layer w0.508: CN1.14@166,69.5 169.468,72.968 169.468,80.968 173.682,85.182 180.182,85.182 182.8,87.8 IReg2.5@184.595,87.8 IReg2.6@185.865,87.8 IReg2.7@187.135,87.8 IReg2.8@188.405,87.8
"RTD LED 2": R58.2 U1.1 | length 55.3
  Top Layer w0.254: U1.1@150.55,129.375 150.55,119.668 154.62,115.598 170.802,115.598 172.5,113.9 172.5,110.719 174.324,108.895 176.886,108.895 179.06,106.721 179.06,104.26 R58.2@173.8,99
"RTD LED 2 Output": CN1.17 IReg4.5 IReg4.6 IReg4.7 IReg4.8 | length 28.5
  Top Layer w0.508: CN1.17@161,69.5 164.468,72.968 164.468,79.218 172.8,87.55 IReg4.5@174.595,87.55 IReg4.6@175.865,87.55 IReg4.7@177.135,87.55 IReg4.8@178.405,87.55
RTD_BTN_Interm: D12.2 R23.2 R24.1 | length 5.6
  Top Layer w0.254: R24.1@211.25,89.95 211.25,89.9 210.574,89.224 210.563,89.224 210.16,88.821 D12.2@210.16,87.6 210.17,87.6 211.35,86.42 R23.2@211.35,85.3
"Sensor CAN Rx": R28.2 U1.91 | length 53
  Top Layer w0.254: R28.2@105.396,114.063 105.396,114.896 107.25,116.75 114.95,116.75 133.6,135.4 U1.91@149.025,135.4
"Sensor CAN Tx": R29.2 U1.92 | length 47.5
  Top Layer w0.254: R29.2@110.204,114.063 112.391,116.25 115.06,116.25 133.71,134.9 U1.92@149.025,134.9
Sensor_CAN_N: CN1.38 D21.2 R30.1 U3.6 | length 42.2
  Top Layer w0.381: U3.6@107.165,104.484 107.165,102.269 R30.1@107,102.104 107,100.65 D21.2@106.85,100.5 106.85,97.45 107.4,96.9 107.4,87.55 124.024,70.926 124.024,69.524 CN1.38@124,69.5
Sensor_CAN_P: CN1.37 D21.1 R30.2 U3.7 | length 39
  Top Layer w0.381: U3.7@108.435,104.484 108.435,102.269 R30.2@108.6,102.104 108.6,100.65 D21.1@108.75,100.5 108.6,100.35 108.6,97.5 108.035,96.935 108.035,87.813 122.348,73.5 CN1.37@124,73.5
"Serial Rx": P2.2 U1.26 | length 6.4
  Top Layer w0.254: U1.26@164.075,130.9 165.6,130.9 166.5,130 166.5,127.94 P2.2@167.59,126.85
"Serial Tx": P2.1 U1.25 | length 4.5
  Top Layer w0.254: U1.25@162.55,129.375 162.55,127.85 163.6,126.8 165,126.8 P2.1@165.05,126.85
"Shutdown Tap Interm": D17.2 R40.1 R41.2 | length 6.8
  Top Layer w0.254: R41.2@127.8,105.812 126.71,104.722 D17.2@126.71,103.5 129.2,101.01 R40.1@129.2,100.463
Shutdown_Tap: CN1.31 R40.2 R42.2 | length 29.5
  Top Layer w0.254: R40.2@127.8,100.463 R42.2@127.8,98.963 127.8,79.7 CN1.31@134,73.5
SWDIO: U1.72 | length 15
  Top Layer w0.254: v1(143.1,148.4) 144.5,149.8 151.84,149.8 152.35,149.29 152.35,145.879 152.052,145.581 152.052,144.427 U1.72@152.05,144.425
"TSA BTN": CN1.7 R25.1 R26.1 | length 51.9
  Top Layer w0.508: CN1.7@176,73.5 176,75.33 179.434,78.764 202.984,78.764 207.5,83.28 207.5,92.75 204.55,95.7 R25.1@204.55,95.75 R26.1@204.55,97.35
"TSA LED 1": R49.2 U1.4 | length 43.3
  Top Layer w0.254: U1.4@152.05,129.375 152.05,120 155.156,116.894 161.844,116.894 162.732,117.782 179.264,117.782 180.487,116.559 183.8,116.559 R49.2@183.8,116.509
"TSA LED 1 Output": CN1.13 IReg1.5 IReg1.6 IReg1.7 IReg1.8 | length 47.4
  Top Layer w0.508: CN1.13@166,73.5 168.782,76.282 168.782,81.282 173.368,85.868 179.868,85.868 182.25,88.25 182.25,98.669 184.595,101.014 IReg1.5@184.595,105.55 IReg1.6@185.865,105.55 IReg1.7@187.135,105.55 IReg1.8@188.405,105.55
"TSA LED 2": R55.2 U1.2 | length 34.4
  Top Layer w0.254: U1.2@151.05,129.375 151.05,119.779 154.798,116.03 162.202,116.03 163.09,116.918 173.39,116.918 R55.2@173.8,116.509
"TSA LED 2 Output": CN1.16 IReg3.5 IReg3.6 IReg3.7 IReg3.8 | length 41.5
  Top Layer w0.508: CN1.16@161,73.5 163.782,76.282 163.782,79.532 172.25,88 172.25,103.205 IReg3.5@174.595,105.55 IReg3.6@175.865,105.55 IReg3.7@177.135,105.55 IReg3.8@178.405,105.55
TSA_BTN_Interm: D14.2 R26.2 R27.1 | length 6.4
  Top Layer w0.254: D14.2@202.01,99.75 D14.2@202.02,99.75 ; R26.2@203.15,97.35 203.15,98.62 D14.2@202.02,99.75 ; R27.1@204.5,102.1 204.5,102.05 203.57,101.12 203.39,101.12 D14.2@202.02,99.75
"UC APPS 1": C21.2 D6.3 R17.2 R19.2 U1.15 | length 79.9
  Top Layer w0.254: U1.15@157.55,129.375 157.55,125.511 158.016,125.045 159.697,125.045 160.732,124.01 160.732,120.121 162.603,118.25 179.407,118.25 180.157,117.5 210.494,117.5 217.477,110.517 217.527,110.517 217.8,110.244 C21.2@217.8,110.194 R19.2@217.8,108.739 217.527,108.466 217.527,106.327 D6.3@217.5,106.3 217.773,106.027 217.773,103.323 R17.2@217.8,103.296
"UC APPS 2": C20.2 D5.3 R13.2 R15.2 U1.30 | length 65.2
  Top Layer w0.254: U1.30@164.075,132.9 192.1,132.9 201.05,123.95 213.05,123.95 214.033,122.967 217.577,122.967 217.85,122.694 C20.2@217.85,122.644 R15.2@217.85,121.189 217.577,120.916 217.577,118.777 D5.3@217.55,118.75 217.823,118.477 217.823,115.773 R13.2@217.85,115.746
"UC BPS": C26.2 D3.2 R60.2 U1.17 | length 65.2
  Top Layer w0.254: U1.17@158.55,129.375 158.55,128.2 157.982,127.632 157.982,125.69 158.195,125.477 159.876,125.477 161.163,124.189 161.163,120.3 162.782,118.682 179.585,118.682 180.335,117.932 195.482,117.932 v1(195.85,118.3) ; v1(195.9,116.65) C26.2@195.9,105.921 195.9,105.871 195.075,105.046 D3.2@195.075,104.167 195.373,103.869 195.969,103.869 197.55,102.287 R60.2@197.55,102.237
  Bottom Layer w0.254: v1(195.85,118.3) 195.875,118.275 195.875,116.675 v1(195.9,116.65)
"UC BT Rx": R32.2 U1.56 | length 56.4
  Top Layer w0.254: R32.2@112.7,142.5 133.068,142.5 142.163,151.595 156.837,151.595 160.05,148.382 U1.56@160.05,144.425
"UC BT Tx": R33.1 U1.55 | length 111.4
  Top Layer w0.254: R33.1@90.25,136.05 88.491,134.291 88.491,122.468 91.606,119.353 113.889,119.353 117.068,122.533 117.068,125.668 119.1,127.7 v1(119.1,127.8) ; v1(120.1,130) 120.5,130 130.2,139.7 v1(130.2,141.6) ; v1(130.2,143.2) 133.157,143.2 141.985,152.027 157.015,152.027 160.55,148.493 U1.55@160.55,144.425
  Bottom Layer w0.254: v1(119.1,127.8) 119.1,129 v1(120.1,130) ; v1(130.2,141.6) v1(130.2,143.2)
"UC Dash Toggle": C31.2 D15.2 R35.2 U1.37 | length 69
  Top Layer w0.254: U1.37@164.075,136.4 188.4,136.4 v1(191.1,133.7) ; v1(191.1,132.1) 191.125,132.1 204.525,118.7 v1(204.55,118.7) ; v1(204.55,116.5) 204.55,112.15 C31.2@211.05,105.65 211.05,105.6 210.125,104.675 D15.2@210.125,103.8 211.1,102.825 R35.2@211.1,101.95
  Bottom Layer w0.254: v1(191.1,132.1) v1(191.1,133.7) ; v1(204.55,116.5) v1(204.55,118.7)
"UC Regen Btn": C38.2 D20.2 R38.2 U1.34 | length 75.2
  Top Layer w0.254: U1.34@164.075,134.9 185.8,134.9 v1(187,133.7) ; v1(187,132.2) 187,132.175 200.45,118.725 v1(200.45,118.7) ; v1(200.45,116.6) 200.45,95.2 202.4,93.25 C38.2@203.15,93.25 203.15,92.279 D20.2@202.325,91.454 202.677,91.102 202.677,89.973 R38.2@202.95,89.7
  Bottom Layer w0.254: v1(187,132.2) v1(187,133.7) ; v1(200.45,116.6) v1(200.45,118.7)
"UC Regen Ctrl": R39.2 R59.2 U1.84 | length 83.5
  Top Layer w0.254: R39.2@93.05,91.934 R59.2@94.854,91.934 94.854,95.342 101.068,101.556 101.068,111.868 106.814,117.614 114.592,117.614 135.878,138.9 U1.84@149.025,138.9
"UC RTD BTN": C27.2 D8.2 R24.2 U1.36 | length 81.9
  Top Layer w0.254: U1.36@164.075,135.9 187.5,135.9 v1(189.7,133.7) ; v1(189.7,132.1) 189.725,132.1 203.125,118.7 v1(203.15,118.7) ; v1(203.15,116.5) 203.15,112.85 208.1,107.9 208.1,95 209.6,93.5 C27.2@211.2,93.5 211.2,93.45 210.275,92.525 D8.2@210.275,91.704 210.573,91.406 211.244,91.406 212.65,90 R24.2@212.65,89.95
  Bottom Layer w0.254: v1(189.7,132.1) v1(189.7,133.7) ; v1(203.15,116.5) v1(203.15,118.7)
"UC Shutdown Tap": C32.2 D16.2 R41.1 U1.87 | length 54.9
  Top Layer w0.254: R41.1@129.2,105.812 127.446,107.567 D16.2@126.825,107.567 126.825,108.346 C32.2@127.8,109.321 127.8,110.45 123.9,114.35 123.9,123.258 132.779,132.136 136.814,132.136 v1(137.15,131.8) ; v1(137.2,136.6) 138,137.4 U1.87@149.025,137.4
  Bottom Layer w0.254: v1(137.15,131.8) 137.175,131.825 137.175,136.575 v1(137.2,136.6)
"UC SWCLK": D11.3 F7.1 U1.76 | length 93.2
  Top Layer w0.254: v1(102.25,114.25) 102.839,114.25 106.635,118.045 114.413,118.045 139.268,142.9 U1.76@149.025,142.9 ; v1(102.35,111.25) 102.35,92.15 v1(102.75,91.75)
  Top Layer w0.381: v1(102.75,91.75) 102.807,91.693 F7.1@102.807,85.45
  Bottom Layer w0.254: v1(102.25,114.25) 102.3,114.2 102.3,111.3 v1(102.35,111.25)
  Bottom Layer w0.381: D11.3@97.25,91.771 97.271,91.75 v1(102.75,91.75)
"UC SWCLK F": CN1.18 F7.2 | length 67.4
  Top Layer w0.381: F7.2@102.807,83.75 102.807,82.993 121.8,64 159.5,64 CN1.18@161,65.5
"UC SWO": D10.3 F6.1 U1.89 | length 88.3
  Top Layer w0.254: v1(101.5,95.75) 101.5,111.689 106.992,117.182 114.771,117.182 133.421,135.832 142.332,135.832 142.9,136.4 U1.89@149.025,136.4
  Top Layer w0.381: F6.1@101.5,85.45 v1(101.5,95.75)
  Bottom Layer w0.381: D10.3@97.25,95.761 101.489,95.761 v1(101.5,95.75)
"UC SWO F": CN1.15 F6.2 | length 73.9
  Top Layer w0.381: F6.2@101.5,83.75 101.5,83.51 121.61,63.4 163.9,63.4 CN1.15@166,65.5
"UC TSA BTN": C30.2 D13.2 R27.2 U1.35 | length 63.4
  Top Layer w0.254: U1.35@164.075,135.4 186.6,135.4 v1(188.3,133.7) ; v1(188.3,132.1) 188.325,132.1 201.775,118.65 v1(201.8,118.65) ; v1(201.85,116.55) 201.85,106.85 C30.2@203,105.7 203,105.65 202.125,104.775 D13.2@202.125,103.854 202.827,103.152 202.827,102.373 R27.2@203.1,102.1
  Bottom Layer w0.254: v1(188.3,132.1) v1(188.3,133.7) ; v1(201.8,118.65) 201.825,118.625 201.825,116.575 v1(201.85,116.55)
"UC Vbatt": C33.2 D18.3 R44.2 R45.2 U1.32 | length 82.7
  Top Layer w0.254: R44.2@127.8,114.996 127.8,117.7 D18.3@127.5,118 127.5,120.241 R45.2@127.8,120.541 C33.2@127.8,121.996 128.804,123 145.997,123 154.297,114.7 160.8,114.7 161.299,114.201 162.952,114.201 v1(163.55,114.8) ; U1.32@164.075,133.9 v1(172.95,133.9) ; v1(164.45,119.95) 170.4,119.95 172.95,122.5 v1(172.95,132.2)
  Bottom Layer w0.254: v1(163.55,114.8) 164.45,115.7 v1(164.45,119.95) ; v1(172.95,132.2) v1(172.95,133.9) v1@172.975,133.925
Vbatt: C12.1 C13.2 C15.2 C16.1 C17.2 D2.K Q1.2 R22.2 R25.2 R31.2 R36.2 R43.1 R46.2 Ref1.4 REG1.1 REG2.1 | length 192.3
  Top Layer w0.254: R43.1@127.8,113.541 R46.2@127.8,112.087 133.25,106.637 147.387,106.637 C16.1@149.04,108.29
  Top Layer w0.381: v1(213.3,116.25) 213.275,116.275 213.275,117.721 C15.2@213.25,117.746 213.267,117.763 213.267,118.767 213.6,119.1 Ref1.4@213.9,119.1
  Top Layer w0.508: v2(139.25,91.25) D2.K@144.025,91.25 ; v1(201.6,83.15) 201.65,83.2 R36.2@203,83.2 ; v1(201.6,95.75) R25.2@203.15,95.75 ; v1(209.9,95.8) 209.925,95.775 211.125,95.775 R31.2@211.15,95.75 ; v1(210.05,83.75) 210.075,83.775 211.325,83.775 R22.2@211.35,83.8
  Top Layer w1.016: Q1.2@143.8,87.85 143.8,91.025 D2.K@144.025,91.25 144.025,95.755 REG2.1@149.04,100.77 ; C16.1@149.04,108.29 REG2.1@149.04,100.77 ; REG1.1@165.24,98.25 165.24,92.46 C12.1@165.95,91.75 163.42,91.75 161.484,93.686 156.124,93.686 REG2.1@149.04,100.77
  Bottom Layer w0.381: v1(209.9,95.8) 209.9,112.85 v1(213.3,116.25)
  Bottom Layer w0.508: REG1.1@165.24,98.25 199.1,98.25 v1(201.6,95.75) ; v1(209.9,95.8) 209.875,95.775 201.625,95.775 v1(201.6,95.75) ; v1(210.05,83.75) 209.974,83.75 209.374,83.15 v1(201.6,83.15) v1(201.6,95.75)
  Bottom Layer w0.762: C17.2@148.05,109 148.05,101.76 REG2.1@149.04,100.77
  Bottom Layer w1.016: C13.2@164.25,93.25 165.24,94.24 REG1.1@165.24,98.25
Vcap1: C22.2 U1.48 | length 3.5
  Top Layer w0.254: U1.48@164.075,141.9 165.5,141.9 166.95,140.45 C22.2@166.95,140.4
Vcap2: C2.2 U1.73 | length 4.6
  Top Layer w0.254: C2.2@151.5,148.759 151.805,148.454 151.805,145.978 151.55,145.723 U1.73@151.55,144.425
"VCU Power": F8.2 Q1.3 | length 13.1
  Top Layer w1.016: v2(135.9,81.1) 140.2,81.1 144.558,85.458 144.742,85.458 144.75,85.466 Q1.3@144.75,85.65
  Bottom Layer w1.016: v2(135.9,81.1) 135.9,83.185 F8.2@136,83.285
"WB Power 1": CN1.25 F9.2 | length 17.9
  Bottom Layer w1.016: F9.2@131.8,83.285 131.8,81.4 133.9,79.3 139.2,79.3 144,74.5 CN1.25@144,73.5
"WB Power 2": CN1.26 F10.2 | length 24.5
  Bottom Layer w1.016: F10.2@127.6,83.285 127.6,82.45 129.556,80.494 130.689,80.494 133.083,78.1 138.712,78.1 142.214,74.598 142.214,71.425 144,69.639 CN1.26@144,69.5
pads on no net: BT1.3 BT1.4 BT1.7 BT1.8 BT1.9 BT1.11 BT1.12 BT1.13 BT1.18 BT1.19 BT1.20 BT1.21 BT1.22 BT1.23 BT1.24 BT1.25 BT1.27 BT1.30 CN1.19 CN1.20 CN1.28 CN1.29 CN1.30 CN1.33 IReg1.2 IReg2.2 IReg3.2 IReg4.2 P1.1 Ref1.3 Ref1.5 U1.5 U1.7 U1.8 U1.9 U1.16 U1.18 U1.23 U1.24 U1.29 U1.31 U1.33 U1.38 U1.42 U1.43 U1.44 U1.45 U1.46 U1.47 U1.51 U1.52 U1.53 U1.54 U1.60 U1.61 U1.62 U1.63 U1.64 U1.65 U1.66 U1.67 U1.68 U1.69 U1.70 U1.71 U1.77 U1.78 U1.79 U1.80 U1.81 U1.82 U1.83 U1.85 U1.86 U1.88 U1.90 U1.93 U1.97 U1.98 U2.5 U2.8 U3.5 U3.8

## Polygon pours and split planes (outlines as drawn)
GND on Bottom Layer "Bottom Layer-GND" (solid, pour order 10): 84,142 96,154 174,154 202,126 220,126 226,120 226,84 218,76 208,76 208,66 204,62 106,62 102,66 102,76 92,76 84,84
GND on Top Layer "Top Layer-GND" (solid, pour order 8): 84,142 96,154 174,154 202,126 220,126 226,120 226,84 218,76 208,76 208,66 204,62 106,62 102,66 102,76 92,76 84,84

## Other copper
Top Layer:
  pour cut-out: 168,124
  pour cut-out: 144,148 144,130 152,122 164,122 168.725,126.725 168.725,148
Multi-Layer:
  pour cut-out: 108.5,124.5 92.5,124.5 92.5,145.5 82,135 82,156 98.5,156 98.5,145.5 95.5,145.5 95.5,143.5 105.5,143.5 105.5,146.5 108.5,146.5

## Silkscreen, mask and mechanical layers (free items; w line width, h text height)
Top Overlay:
  drawing of 6 lines, arcs and shapes, not listed
  text "ePBR20_ACU_Power_rev0" at 131.6,151 h1.52
  text "37" at 124,76 h0.79
  text "4" at 180.1,75.4 h0.79
  text "1" at 185.4,75.3 h0.79
Board Outline:
  lines w0.254: 82,82 82,144 94,156 176,156 204,128 222,128 228,122 228,82 219,73 210,73 210,64 206,60 104,60 100,64 100,73 91,73 82,82